# Altium PCB amp.PcbDoc (part 14 of 20)
Units mm, origin at the board's own origin, x right, y up, seen from the top; angles counter-clockwise.
Board outline 210 x 210 mm, 2 copper layers (Top Layer, Bottom Layer); 742 components, 1354 nets, 6402 pads, 5154 vias.
Unrouted connection lines stored in the file: 702.
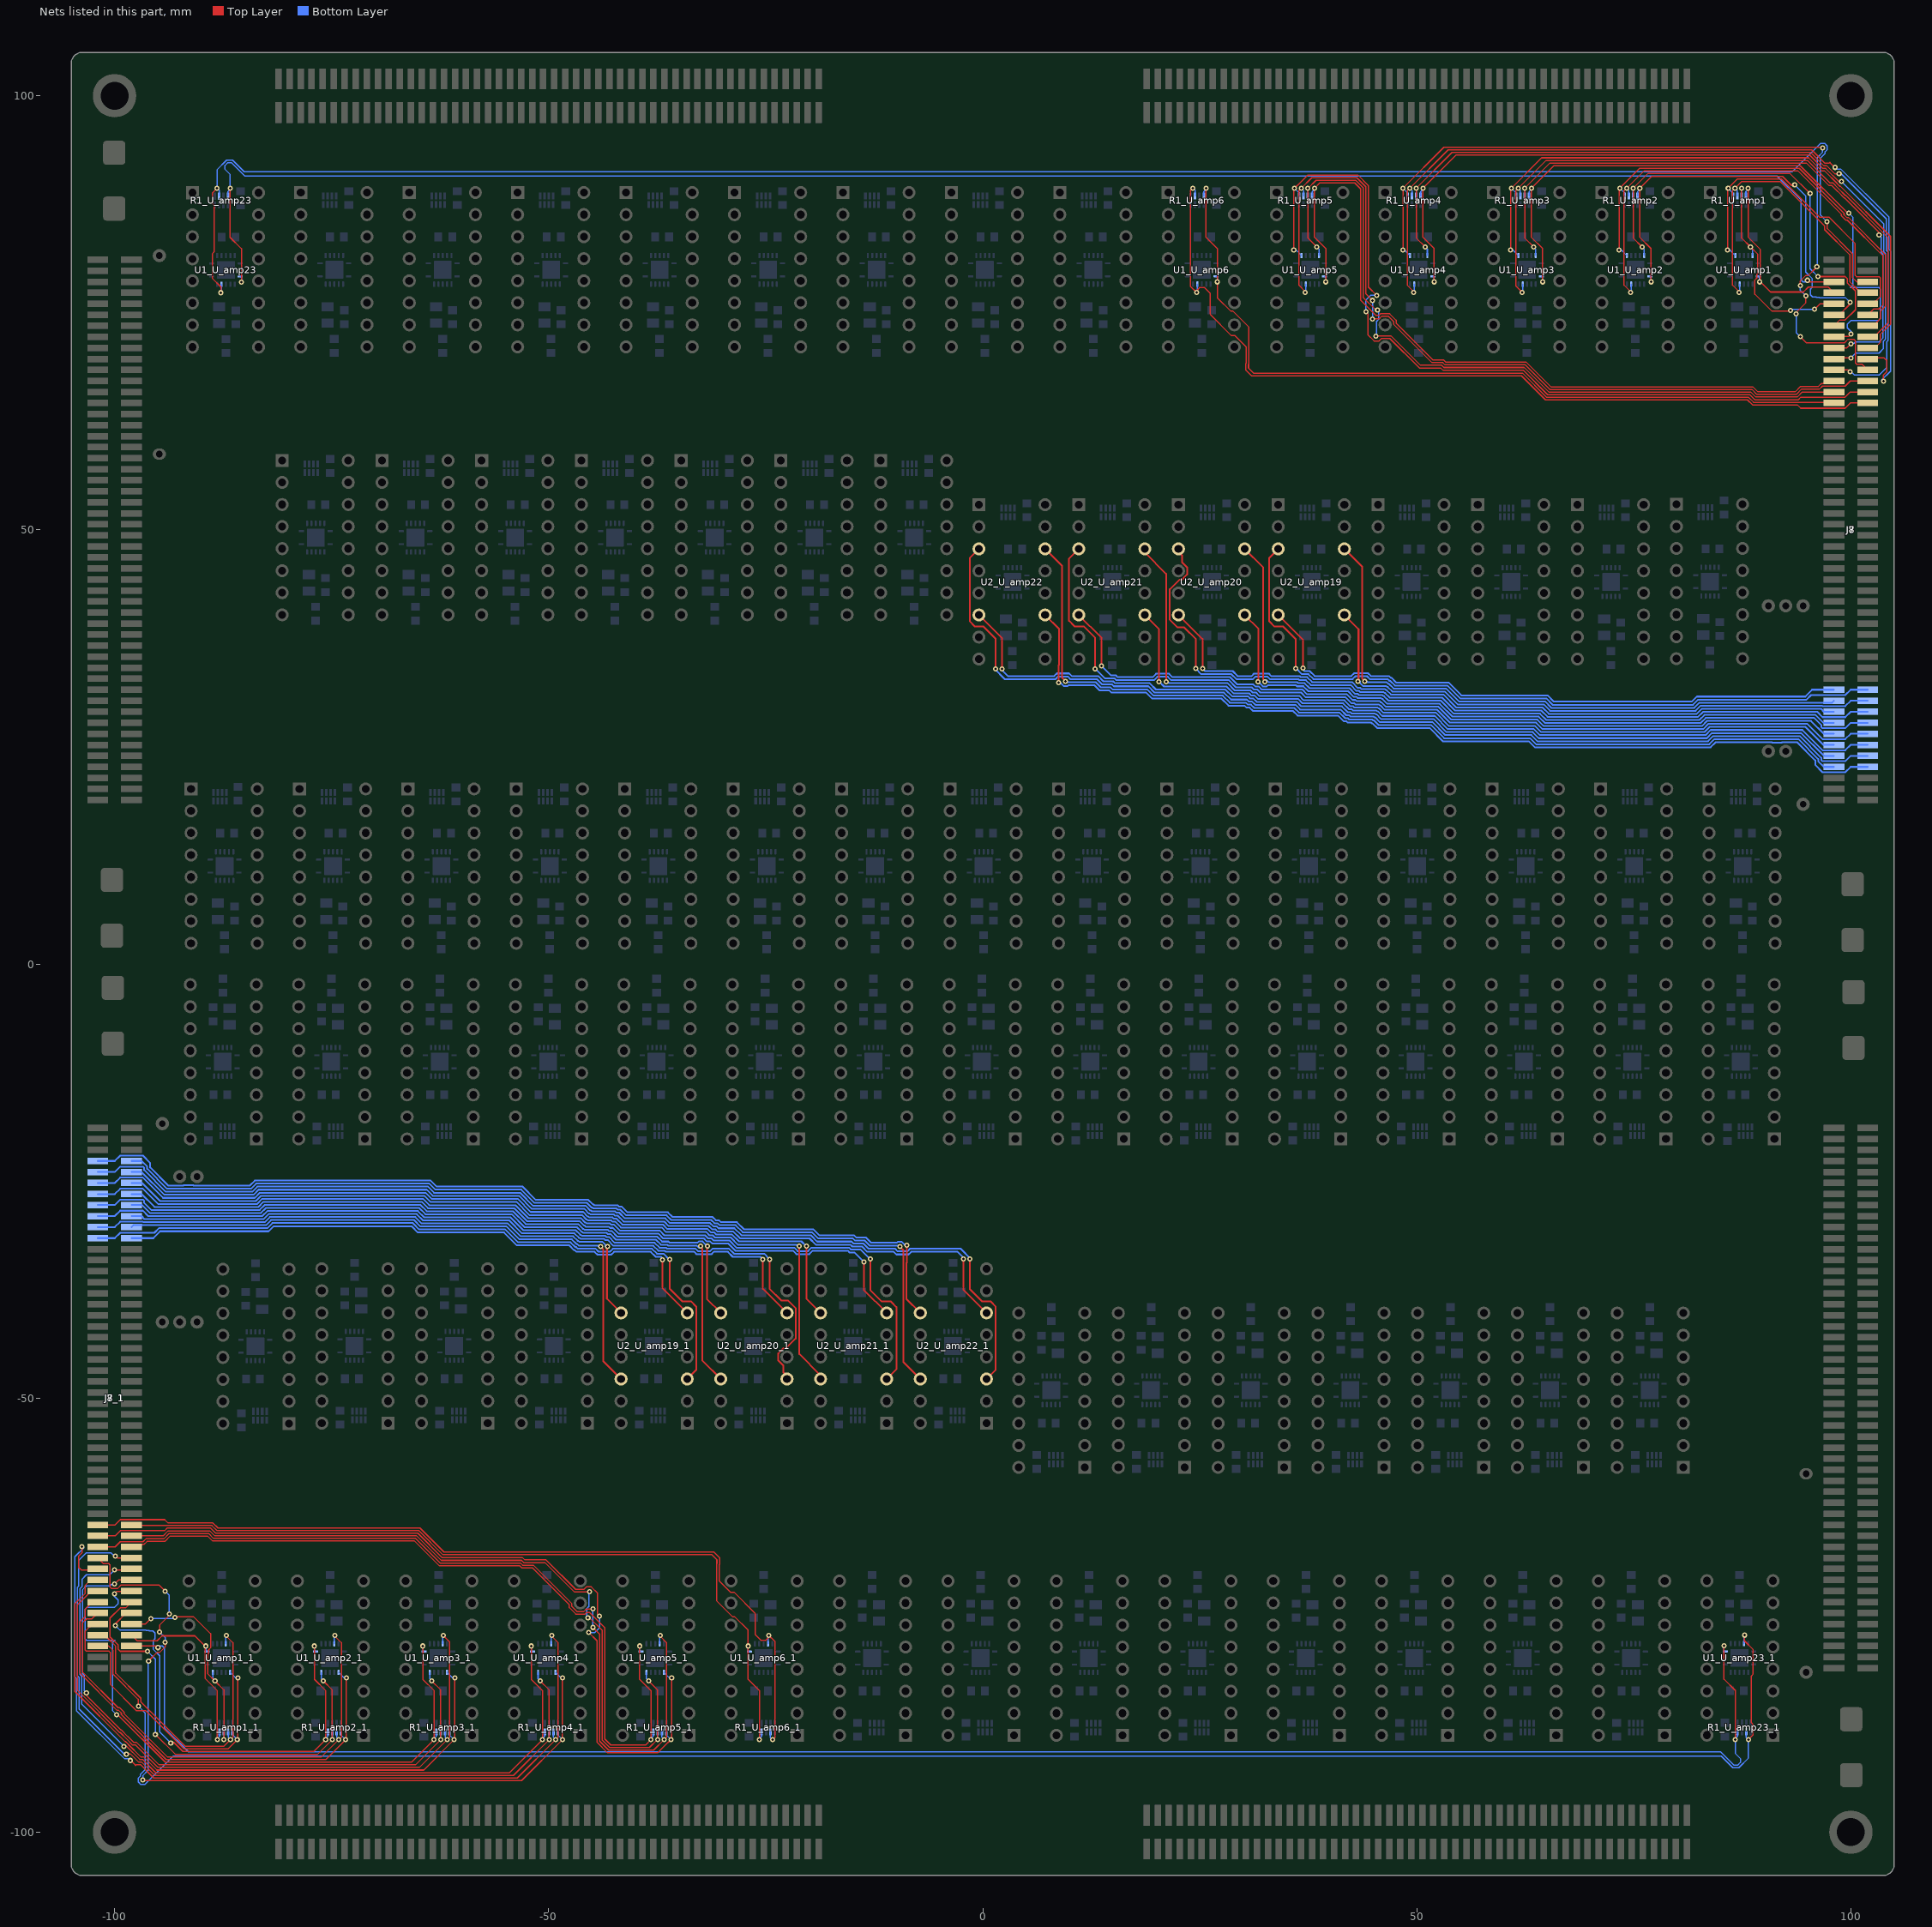
[diagram p14: the nets of this part, all layers, seen from the top]

## Via types
v1: diameter 0.6, hole 0.3, Top Layer to Bottom Layer, tented both sides, 4704 vias
v2: diameter 0.5, hole 0.3, Top Layer to Bottom Layer, 450 vias

## Nets (pads, with @x,y where several pads share a name; then routed paths per layer and width w, separated by ;. In a path a pad name is that pad's centre, name@x,y a point inside that pad or via, vN(x,y) a via of type N, cw(c..) or ccw(c..) an arc to the next point about the centre after c; other vN are vias at no path point) (continued)
NetJ7_73: J7.73 J7_1.73 R1_U_amp6.6 R1_U_amp6_1.6 U1_U_amp6.5 U1_U_amp6_1.5 | length 202.4
  Top Layer w0.15: J7_1.73@-101.95,-64.605 -99.938,-64.605 -99.343,-64.01 -94.232,-64.01 -93.847,-64.395 -88.676,-64.395 -88.097,-64.974 -64.825,-64.974 -62.057,-67.742 -30.964,-67.742 -30.321,-68.385 -30.321,-69.176 -30.332,-69.187 -30.332,-71.106 -29.074,-72.365 -28.651,-72.365 -26.199,-74.817 -26.199,-77.243 -25.514,-77.927 -25.019,-77.927 -24.662,-77.57 v1(-24.662,-77.338) -24.662,-77.313 -23.925,-78.049 -23.925,-89.073 v1(-24.204,-89.352) ; v1(24.204,89.352) 23.925,89.073 23.925,78.049 24.662,77.313 v1(24.662,77.338) 24.662,77.57 25.019,77.927 25.514,77.927 26.199,77.243 26.199,74.817 28.651,72.365 29.074,72.365 30.332,71.106 30.332,69.187 30.321,69.176 30.321,68.385 30.964,67.742 62.057,67.742 64.825,64.974 88.097,64.974 88.676,64.395 93.847,64.395 94.232,64.01 99.343,64.01 99.938,64.605 J7.73@101.95,64.605
  Bottom Layer w0.15: U1_U_amp6_1.5@-24.736,-78.305 -24.736,-77.413 v1(-24.662,-77.338) ; R1_U_amp6_1.6@-24.462,-88.455 -24.462,-89.094 v1(-24.204,-89.352) ; v1(24.204,89.352) 24.462,89.094 R1_U_amp6.6@24.462,88.455 ; v1(24.662,77.338) 24.736,77.413 U1_U_amp6.5@24.736,78.305
NetJ7_74: J7.74 J7_1.74 R1_U_amp6.8 R1_U_amp6_1.8 U1_U_amp6.1 U1_U_amp6_1.1 | length 187.5
  Top Layer w0.15: J7_1.74@-98.05,-64.605 -97.96,-64.695 -88.8,-64.695 -88.221,-65.274 -64.949,-65.274 -62.176,-68.047 -31.191,-68.047 -30.621,-68.617 -30.621,-69.051 -30.632,-69.063 -30.632,-73.381 -28.838,-75.175 -28.586,-75.175 -27.024,-76.737 v1(-27.024,-78.557) -27.024,-82.402 -25.712,-83.713 -25.712,-89.336 v1(-25.728,-89.352) ; v1(25.728,89.352) 25.712,89.336 25.712,83.713 27.024,82.402 v1(27.024,78.557) 27.024,76.737 28.586,75.175 28.838,75.175 30.632,73.381 30.632,69.063 30.621,69.051 30.621,68.617 31.191,68.047 62.176,68.047 64.949,65.274 88.221,65.274 88.8,64.695 97.96,64.695 J7.74@98.05,64.605
  Bottom Layer w0.15: v1(-27.024,-78.557) -27.024,-79.068 U1_U_amp6_1.1@-26.887,-79.205 ; v1(-25.728,-89.352) -25.728,-89.225 -25.462,-88.959 R1_U_amp6_1.8@-25.462,-88.455 ; R1_U_amp6.8@25.462,88.455 25.462,88.959 25.728,89.225 v1(25.728,89.352) ; U1_U_amp6.1@26.887,79.205 27.024,79.068 v1(27.024,78.557)
NetJ7_75: J7.75 J7_1.75 R1_U_amp5.5 R1_U_amp5_1.5 U1_U_amp5.9 U1_U_amp5_1.9 | length 198
  Top Layer w0.15: J7_1.75@-101.95,-65.875 -99.938,-65.875 -99.343,-65.28 -94.241,-65.28 -93.957,-64.995 -88.924,-64.995 -88.345,-65.574 -65.073,-65.574 -62.245,-68.402 -52.997,-68.402 -52.748,-68.65 -50.296,-68.65 -46.901,-72.045 -45.946,-72.045 -45.651,-71.75 -45.084,-71.75 -44.382,-72.452 -44.382,-74.871 v1(-44.145,-75.108) ; v1(-45.39,-77.013) -44.436,-77.967 -44.436,-89.654 -43.223,-90.867 -37.467,-90.867 -36.262,-89.662 -36.217,-89.662 v1(-35.907,-89.352) -35.831,-89.276 v1(-35.831,-82.24) ; v1(35.831,82.24) 35.831,89.276 v1(35.907,89.352) 36.217,89.662 36.262,89.662 37.467,90.867 43.223,90.867 44.436,89.654 44.436,77.967 v1(45.39,77.013) ; v1(44.145,75.108) 44.382,74.871 44.382,72.452 45.084,71.75 45.651,71.75 45.946,72.045 46.901,72.045 50.296,68.65 52.748,68.65 52.997,68.402 62.245,68.402 65.073,65.574 88.345,65.574 88.924,64.995 93.957,64.995 94.241,65.28 99.343,65.28 99.938,65.875 J7.75@101.95,65.875
  Bottom Layer w0.15: v1(-45.39,-77.013) -44.679,-77.013 -44.145,-76.479 v1(-44.145,-75.108) ; U1_U_amp5_1.9@-36.727,-81.605 -36.092,-82.24 v1(-35.831,-82.24) ; R1_U_amp5_1.5@-36.453,-88.455 -36.453,-88.807 v1(-35.907,-89.352) ; v1(35.831,82.24) 36.092,82.24 U1_U_amp5.9@36.727,81.605 ; v1(35.907,89.352) 36.453,88.807 R1_U_amp5.5@36.453,88.455 ; v1(44.145,75.108) 44.145,76.479 44.679,77.013 v1(45.39,77.013)
NetJ7_76: J7.76 J7_1.76 R1_U_amp5.7 R1_U_amp5_1.7 U1_U_amp5.13 U1_U_amp5_1.13 | length 180.8
  Top Layer w0.15: J7_1.76@-98.05,-65.875 -94.412,-65.875 -93.832,-65.295 -89.048,-65.295 -88.47,-65.874 -65.197,-65.874 -62.37,-68.702 -53.121,-68.702 -52.872,-68.95 -50.42,-68.95 -47.025,-72.345 -45.345,-72.345 v1(-45.288,-72.288) ; v1(-45.466,-75.311) -45.384,-75.311 -45.333,-75.26 -43.836,-76.758 -43.836,-89.405 -42.974,-90.267 -38.391,-90.267 -37.476,-89.352 v1(-37.457,-89.352) -37.457,-83.612 v1(-38.473,-82.596) ; v1(38.473,82.596) 37.457,83.612 v1(37.457,89.352) 37.476,89.352 38.391,90.267 42.974,90.267 43.836,89.405 43.836,76.758 45.333,75.26 45.384,75.311 v1(45.466,75.311) ; v1(45.288,72.288) 45.345,72.345 47.025,72.345 50.42,68.95 52.872,68.95 53.121,68.702 62.37,68.702 65.197,65.874 88.47,65.874 89.048,65.295 93.832,65.295 94.412,65.875 J7.76@98.05,65.875
  Bottom Layer w0.15: v1(-45.466,-75.311) -45.542,-75.235 -45.593,-75.235 -45.593,-74.232 -45.375,-74.014 -45.375,-72.375 v1(-45.288,-72.288) ; U1_U_amp5_1.13@-38.727,-81.605 -38.727,-82.342 v1(-38.473,-82.596) ; v1(-37.457,-89.352) -37.453,-89.348 R1_U_amp5_1.7@-37.453,-88.455 ; R1_U_amp5.7@37.453,88.455 37.453,89.348 v1(37.457,89.352) ; v1(38.473,82.596) 38.727,82.342 U1_U_amp5.13@38.727,81.605 ; v1(45.288,72.288) 45.375,72.375 45.375,74.014 45.593,74.232 45.593,75.235 45.542,75.235 v1(45.466,75.311)
NetJ7_77: J7.77 J7_1.77 R1_U_amp5.6 R1_U_amp5_1.6 U1_U_amp5.5 U1_U_amp5_1.5 | length 200.2
  Top Layer w0.15: J7_1.77@-101.95,-67.145 -99.938,-67.145 -99.343,-66.55 -96.724,-66.55 -96.396,-66.223 -94.335,-66.223 -93.708,-65.595 -89.173,-65.595 -88.594,-66.174 -65.322,-66.174 -62.494,-69.002 -53.245,-69.002 -52.997,-69.25 -51.763,-69.25 -47.325,-73.688 -47.325,-74.014 -46.754,-74.585 -45.946,-74.585 -45.656,-74.295 v1(-44.907,-74.295) ; v1(-44.907,-76.429) -44.136,-77.2 -44.136,-89.53 -43.098,-90.567 -37.909,-90.567 v1(-36.695,-89.352) -36.415,-89.073 -36.415,-78.181 -37.152,-77.444 v1(-37.152,-77.338) v1@-37.152,-77.313 ; v1@37.152,77.313 v1(37.152,77.338) 37.152,77.444 36.415,78.181 36.415,89.073 v1(36.695,89.352) 37.909,90.567 43.098,90.567 44.136,89.53 44.136,77.2 v1(44.907,76.429) ; v1(44.907,74.295) 45.656,74.295 45.946,74.585 46.754,74.585 47.325,74.014 47.325,73.688 51.763,69.25 52.997,69.25 53.245,69.002 62.494,69.002 65.322,66.174 88.594,66.174 89.173,65.595 93.708,65.595 94.335,66.223 96.396,66.223 96.724,66.55 99.343,66.55 99.938,67.145 J7.77@101.95,67.145
  Bottom Layer w0.15: v1(-44.907,-76.429) v1(-44.907,-74.295) ; U1_U_amp5_1.5@-37.227,-78.305 -37.227,-77.413 v1(-37.152,-77.338) ; R1_U_amp5_1.6@-36.953,-88.455 -36.953,-89.094 v1(-36.695,-89.352) ; v1(36.695,89.352) 36.953,89.094 R1_U_amp5.6@36.953,88.455 ; v1(37.152,77.338) 37.227,77.413 U1_U_amp5.5@37.227,78.305 ; v1(44.907,74.295) v1(44.907,76.429)
NetJ7_78: J7.78 J7_1.78 R1_U_amp5.8 R1_U_amp5_1.8 U1_U_amp5.1 U1_U_amp5_1.1 | length 183
  Top Layer w0.15: J7_1.78@-98.05,-67.145 -97.117,-67.145 -96.822,-66.85 -96.599,-66.85 -96.272,-66.523 -94.211,-66.523 -93.584,-65.895 -89.297,-65.895 -88.718,-66.474 -65.446,-66.474 -62.618,-69.302 -53.369,-69.302 -53.121,-69.55 -51.887,-69.55 -47.625,-73.813 -47.625,-74.139 -46.878,-74.885 -45.822,-74.885 -45.638,-74.701 -45.288,-74.701 -44.67,-75.319 -44.67,-75.325 -44.363,-75.633 -44.357,-75.633 -43.536,-76.454 -43.536,-89.281 -42.85,-89.967 -38.833,-89.967 v1(-38.219,-89.352) -38.203,-89.336 -38.203,-83.713 -39.514,-82.402 v1(-39.514,-78.557) ; v1(39.514,78.557) 39.514,82.402 38.203,83.713 38.203,89.336 v1(38.219,89.352) 38.833,89.967 42.85,89.967 43.536,89.281 43.536,76.454 44.357,75.633 44.363,75.633 44.67,75.325 44.67,75.319 45.288,74.701 45.638,74.701 45.822,74.885 46.878,74.885 47.625,74.139 47.625,73.813 51.887,69.55 53.121,69.55 53.369,69.302 62.618,69.302 65.446,66.474 88.718,66.474 89.297,65.895 93.584,65.895 94.211,66.523 96.272,66.523 96.599,66.85 96.822,66.85 97.117,67.145 J7.78@98.05,67.145
  Bottom Layer w0.15: v1(-39.514,-78.557) -39.514,-79.068 U1_U_amp5_1.1@-39.377,-79.205 ; v1(-38.219,-89.352) -38.219,-89.225 -37.953,-88.959 R1_U_amp5_1.8@-37.953,-88.455 ; R1_U_amp5.8@37.953,88.455 37.953,88.959 38.219,89.225 v1(38.219,89.352) ; U1_U_amp5.1@39.377,79.205 39.514,79.068 v1(39.514,78.557)
NetJ7_79: J7.79 J7_1.79 R1_U_amp4.5 R1_U_amp4_1.5 U1_U_amp4.9 U1_U_amp4_1.9 | length 190
  Top Layer w0.15: J7_1.79@-101.95,-68.415 -101.275,-69.09 -100.657,-69.09 -100.525,-69.222 -100.525,-70.341 -100.523,-70.342 -100.525,-70.344 -100.525,-71.769 -100.344,-71.95 -99.663,-71.95 -99.263,-71.55 -94.871,-71.55 v1(-94.183,-72.238) ; v1(-96.75,-94) -96.75,-93.852 -96.534,-94.067 -53.112,-94.067 v1(-48.397,-89.352) -48.321,-89.276 -48.412,-89.185 v1(-48.412,-82.245) ; v1(-96.088,-80.289) -95.074,-79.275 -94.783,-79.275 -94.183,-78.676 v1(-94.183,-78.13) ; v1(-94.818,-76.937) -94.818,-76.149 -93.701,-75.032 v1(-93.701,-74.879) ; v1(48.412,82.245) 48.412,89.185 48.321,89.276 v1(48.397,89.352) 53.112,94.067 96.534,94.067 96.75,93.852 v1(96.75,94) ; v1(93.701,74.879) 93.701,75.032 94.818,76.149 v1(94.818,76.937) ; v1(94.183,72.238) 94.871,71.55 99.263,71.55 99.663,71.95 100.344,71.95 100.525,71.769 100.525,70.344 100.523,70.342 100.525,70.341 100.525,69.222 100.657,69.09 101.275,69.09 J7.79@101.95,68.415 ; v1(94.183,78.13) 94.183,78.676 94.783,79.275 95.074,79.275 v1(96.088,80.289)
  Bottom Layer w0.15: v1(-96.75,-94) -96.75,-93.492 -96.139,-92.881 -96.139,-80.34 v1(-96.088,-80.289) ; v1(-94.818,-76.937) -94.183,-77.572 v1(-94.183,-78.13) ; v1(-94.183,-72.238) -93.701,-72.72 v1(-93.701,-74.879) ; U1_U_amp4_1.9@-49.217,-81.605 -48.577,-82.245 v1(-48.412,-82.245) ; R1_U_amp4_1.5@-48.943,-88.455 -48.943,-88.807 v1(-48.397,-89.352) ; v1(48.397,89.352) 48.943,88.807 R1_U_amp4.5@48.943,88.455 ; v1(48.412,82.245) 48.577,82.245 U1_U_amp4.9@49.217,81.605 ; v1(93.701,74.879) 93.701,72.72 v1(94.183,72.238) ; v1(94.183,78.13) 94.183,77.572 v1(94.818,76.937) ; v1(96.088,80.289) 96.139,80.34 96.139,92.881 96.75,93.492 v1(96.75,94)
NetJ7_80: J7.80 J7_1.80 R1_U_amp4.7 R1_U_amp4_1.7 U1_U_amp4.13 U1_U_amp4_1.13 | length 184.3
  Top Layer w0.15: v1(-99.898,-68.224) -99.708,-68.415 J7_1.80@-98.05,-68.415 ; v1(-98.654,-91.008) -98.633,-90.987 -98.175,-90.987 -97.238,-91.925 -96.908,-91.925 -95.366,-93.467 -54.062,-93.467 v1(-49.947,-89.352) -49.947,-83.612 v1(-50.963,-82.596) ; v1(50.963,82.596) 49.947,83.612 v1(49.947,89.352) 54.062,93.467 95.366,93.467 96.908,91.925 97.238,91.925 98.175,90.987 98.633,90.987 v1(98.654,91.008) ; J7.80@98.05,68.415 99.708,68.415 v1(99.898,68.224)
  Bottom Layer w0.15: v1(-99.898,-68.224) -100.025,-68.224 -100.432,-67.818 -103.173,-67.818 -103.175,-67.82 -103.243,-67.82 -104.132,-68.708 -104.132,-71.67 -104.275,-71.813 -104.275,-78.752 -104.3,-78.777 -104.3,-81.973 -104.1,-82.173 -104.1,-85.817 -98.909,-91.008 v1(-98.654,-91.008) ; U1_U_amp4_1.13@-51.217,-81.605 -51.217,-82.342 v1(-50.963,-82.596) ; v1(-49.947,-89.352) -49.943,-89.348 R1_U_amp4_1.7@-49.943,-88.455 ; R1_U_amp4.7@49.943,88.455 49.943,89.348 v1(49.947,89.352) ; v1(50.963,82.596) 51.217,82.342 U1_U_amp4.13@51.217,81.605 ; v1(98.654,91.008) 98.909,91.008 104.1,85.817 104.1,82.173 104.3,81.973 104.3,78.777 104.275,78.752 104.275,71.813 104.132,71.67 104.132,68.708 103.243,67.82 103.175,67.82 103.173,67.818 100.432,67.818 100.025,68.224 v1(99.898,68.224)
NetJ7_81: J7.81 J7_1.81 R1_U_amp4.6 R1_U_amp4_1.6 U1_U_amp4.5 U1_U_amp4_1.5 | length 198.6
  Top Layer w0.15: v1(-103.759,-67.132) -103.759,-67.841 -104.132,-68.213 -104.132,-69.509 -103.824,-69.816 -103.389,-69.816 -103.372,-69.799 -102.064,-69.799 J7_1.81@-101.95,-69.685 ; v1(-98.171,-91.745) -98.14,-91.745 -97.595,-92.289 -97.595,-92.321 -97.563,-92.321 -97.467,-92.225 -97.032,-92.225 -95.49,-93.767 -53.619,-93.767 -49.204,-89.352 v1(-49.185,-89.352) -48.905,-89.073 -48.905,-82.495 -48.937,-82.463 -48.937,-82.028 -48.905,-81.996 -48.905,-78.181 -49.642,-77.444 v1(-49.642,-77.338) v1@-49.642,-77.313 ; v1@49.642,77.313 v1(49.642,77.338) 49.642,77.444 48.905,78.181 48.905,81.996 48.937,82.028 48.937,82.463 48.905,82.495 48.905,89.073 v1(49.185,89.352) 49.204,89.352 53.619,93.767 95.49,93.767 97.032,92.225 97.467,92.225 97.563,92.321 97.595,92.321 97.595,92.289 98.14,91.745 v1(98.171,91.745) ; J7.81@101.95,69.685 102.064,69.799 103.372,69.799 103.389,69.816 103.824,69.816 104.132,69.509 104.132,68.213 103.759,67.841 v1(103.759,67.132)
  Bottom Layer w0.15: v1(-103.759,-67.132) -103.632,-67.132 -103.53,-67.234 -104.575,-68.278 -104.575,-78.628 -104.6,-78.653 -104.6,-82.097 -104.4,-82.297 -104.4,-86.004 -98.871,-91.533 -98.383,-91.533 v1(-98.171,-91.745) ; U1_U_amp4_1.5@-49.717,-78.305 -49.717,-77.413 v1(-49.642,-77.338) ; R1_U_amp4_1.6@-49.443,-88.455 -49.443,-89.094 v1(-49.185,-89.352) ; v1(49.185,89.352) 49.443,89.094 R1_U_amp4.6@49.443,88.455 ; v1(49.642,77.338) 49.717,77.413 U1_U_amp4.5@49.717,78.305 ; v1(98.171,91.745) 98.383,91.533 98.871,91.533 104.4,86.004 104.4,82.297 104.6,82.097 104.6,78.653 104.575,78.628 104.575,68.278 103.53,67.234 103.632,67.132 v1(103.759,67.132)
NetJ7_82: J7.82 J7_1.82 R1_U_amp4.8 R1_U_amp4_1.8 U1_U_amp4.1 U1_U_amp4_1.1 | length 183.5
  Top Layer w0.15: v1(-100,-69.799) -98.164,-69.799 J7_1.82@-98.05,-69.685 ; v1(-98.933,-90.119) -98.619,-90.119 -97.113,-91.625 -96.784,-91.625 -95.241,-93.167 -54.524,-93.167 v1(-50.709,-89.352) -50.693,-89.336 -50.693,-83.713 -52.004,-82.402 v1(-52.004,-78.557) ; v1(52.004,78.557) 52.004,82.402 50.693,83.713 50.693,89.336 v1(50.709,89.352) 54.524,93.167 95.241,93.167 96.784,91.625 97.113,91.625 98.619,90.119 v1(98.933,90.119) ; J7.82@98.05,69.685 98.164,69.799 v1(100,69.799)
  Bottom Layer w0.15: v1(-100,-69.799) -100.533,-70.333 -102.616,-70.333 -102.643,-70.36 -103.243,-70.36 -103.75,-70.867 -103.75,-71.713 -103.975,-71.938 -103.975,-78.876 -104,-78.901 -104,-81.849 -103.8,-82.049 -103.8,-85.252 v1(-98.933,-90.119) ; v1(-52.004,-78.557) -52.004,-79.068 U1_U_amp4_1.1@-51.867,-79.205 ; v1(-50.709,-89.352) -50.709,-89.225 -50.443,-88.959 R1_U_amp4_1.8@-50.443,-88.455 ; R1_U_amp4.8@50.443,88.455 50.443,88.959 50.709,89.225 v1(50.709,89.352) ; U1_U_amp4.1@51.867,79.205 52.004,79.068 v1(52.004,78.557) ; v1(98.933,90.119) 103.8,85.252 103.8,82.049 104,81.849 104,78.901 103.975,78.876 103.975,71.938 103.75,71.713 103.75,70.867 103.243,70.36 102.643,70.36 102.616,70.333 100.533,70.333 v1(100,69.799)
NetJ7_83: J7.83 J7_1.83 R1_U_amp3.5 R1_U_amp3_1.5 U1_U_amp3.9 U1_U_amp3_1.9 | length 145.4
  Top Layer w0.15: J7_1.83@-101.95,-70.955 -102.756,-70.955 -103.375,-71.574 -103.375,-72.496 -104.575,-73.696 -104.575,-83.796 -98.776,-89.594 -98.716,-89.594 -98.408,-89.902 -98.408,-89.906 -96.989,-91.325 -96.66,-91.325 -95.132,-92.853 -64.388,-92.853 v1(-60.888,-89.352) -60.811,-89.276 v1(-60.811,-82.24) ; v1(60.811,82.24) 60.811,89.276 v1(60.888,89.352) 64.388,92.853 95.132,92.853 96.66,91.325 96.989,91.325 98.408,89.906 98.408,89.902 98.716,89.594 98.776,89.594 104.575,83.796 104.575,73.696 103.375,72.496 103.375,71.574 102.756,70.955 J7.83@101.95,70.955
  Bottom Layer w0.15: U1_U_amp3_1.9@-61.707,-81.605 -61.072,-82.24 v1(-60.811,-82.24) ; R1_U_amp3_1.5@-61.433,-88.455 -61.433,-88.807 v1(-60.888,-89.352) ; v1(60.811,82.24) 61.072,82.24 U1_U_amp3.9@61.707,81.605 ; v1(60.888,89.352) 61.433,88.807 R1_U_amp3.5@61.433,88.455
NetJ7_84: J7.84 J7_1.84 R1_U_amp3.7 R1_U_amp3_1.7 U1_U_amp3.13 U1_U_amp3_1.13 | length 145.9
  Top Layer w0.15: v1(-103.25,-83.954) -103.25,-84.25 -99.267,-88.233 -99.232,-88.233 -98.471,-88.994 -98.467,-88.994 -97.808,-89.653 -97.483,-89.653 -94.883,-92.253 -65.337,-92.253 v1(-62.437,-89.352) -62.437,-83.612 v1(-63.453,-82.596) ; v1(-100,-71.425) -99.53,-70.955 J7_1.84@-98.05,-70.955 ; v1(63.453,82.596) 62.437,83.612 v1(62.437,89.352) 65.337,92.253 94.883,92.253 97.483,89.653 97.808,89.653 98.467,88.994 98.471,88.994 99.232,88.233 99.267,88.233 103.25,84.25 v1(103.25,83.954) ; J7.84@98.05,70.955 99.53,70.955 v1(100,71.425)
  Bottom Layer w0.15: v1(-103.25,-83.954) -103.5,-83.704 -103.5,-81.924 -103.7,-81.724 -103.7,-79.026 -103.675,-79.001 -103.675,-72.062 -103.243,-71.63 -100.512,-71.63 -100.382,-71.5 -100.176,-71.5 -100.101,-71.425 v1(-100,-71.425) ; U1_U_amp3_1.13@-63.707,-81.605 -63.707,-82.342 v1(-63.453,-82.596) ; v1(-62.437,-89.352) -62.433,-89.348 R1_U_amp3_1.7@-62.433,-88.455 ; R1_U_amp3.7@62.433,88.455 62.433,89.348 v1(62.437,89.352) ; v1(63.453,82.596) 63.707,82.342 U1_U_amp3.13@63.707,81.605 ; v1(100,71.425) 100.101,71.425 100.176,71.5 100.382,71.5 100.512,71.63 103.243,71.63 103.675,72.062 103.675,79.001 103.7,79.026 103.7,81.724 103.5,81.924 103.5,83.704 v1(103.25,83.954)
NetJ7_85: J7.85 J7_1.85 R1_U_amp3.6 R1_U_amp3_1.6 U1_U_amp3.5 U1_U_amp3_1.5 | length 149.8
  Top Layer w0.15: J7_1.85@-101.95,-72.225 -102.68,-72.225 -104.275,-73.82 -104.275,-83.671 -99.413,-88.533 -99.356,-88.533 -98.595,-89.294 -98.591,-89.294 -97.932,-89.953 -97.607,-89.953 -95.007,-92.553 -64.895,-92.553 -61.695,-89.352 v1(-61.675,-89.352) -61.396,-89.073 -61.396,-78.116 -62.132,-77.38 v1(-62.132,-77.338) v1@-62.132,-77.313 ; v1@62.132,77.313 v1(62.132,77.338) 62.132,77.38 61.396,78.116 61.396,89.073 v1(61.675,89.352) 61.695,89.352 64.895,92.553 95.007,92.553 97.607,89.953 97.932,89.953 98.591,89.294 98.595,89.294 99.356,88.533 99.413,88.533 104.275,83.671 104.275,73.82 102.68,72.225 J7.85@101.95,72.225
  Bottom Layer w0.15: U1_U_amp3_1.5@-62.207,-78.305 -62.207,-77.413 v1(-62.132,-77.338) ; R1_U_amp3_1.6@-61.933,-88.455 -61.933,-89.094 v1(-61.675,-89.352) ; v1(61.675,89.352) 61.933,89.094 R1_U_amp3.6@61.933,88.455 ; v1(62.132,77.338) 62.207,77.413 U1_U_amp3.5@62.207,78.305
NetJ7_86: J7.86 J7_1.86 R1_U_amp3.8 R1_U_amp3_1.8 U1_U_amp3.1 U1_U_amp3_1.1 | length 153.6
  Top Layer w0.15: v1(-100.025,-72.542) -99.758,-72.275 -98.1,-72.275 J7_1.86@-98.05,-72.225 ; v1(-99.75,-86.5) -99.616,-86.5 -94.168,-91.948 -65.795,-91.948 v1(-63.199,-89.352) -63.183,-89.336 -63.183,-83.713 -64.494,-82.402 v1(-64.494,-78.557) ; v1(64.494,78.557) 64.494,82.402 63.183,83.713 63.183,89.336 v1(63.199,89.352) 65.795,91.948 94.168,91.948 99.616,86.5 v1(99.75,86.5) ; J7.86@98.05,72.225 98.1,72.275 99.758,72.275 v1(100.025,72.542)
  Bottom Layer w0.15: v1(-100.025,-72.542) -100.097,-72.614 -100.097,-72.77 -99.602,-73.265 -99.602,-73.7 -99.992,-74.09 -103.163,-74.09 -103.375,-74.302 -103.375,-77.768 -103.243,-77.9 -99.951,-77.9 -100.25,-78.199 -100.25,-86 -99.764,-86.486 -99.764,-86.725 -99.75,-86.711 v1(-99.75,-86.5) ; v1(-64.494,-78.557) -64.494,-79.068 U1_U_amp3_1.1@-64.357,-79.205 ; v1(-63.199,-89.352) -63.199,-89.225 -62.933,-88.959 R1_U_amp3_1.8@-62.933,-88.455 ; R1_U_amp3.8@62.933,88.455 62.933,88.959 63.199,89.225 v1(63.199,89.352) ; U1_U_amp3.1@64.357,79.205 64.494,79.068 v1(64.494,78.557) ; v1(99.75,86.5) 99.75,86.711 99.764,86.725 99.764,86.486 100.25,86 100.25,78.199 99.951,77.9 103.243,77.9 103.375,77.768 103.375,74.302 103.163,74.09 99.992,74.09 99.602,73.7 99.602,73.265 100.097,72.77 100.097,72.614 v1(100.025,72.542)
NetJ7_87: J7.87 J7_1.87 R1_U_amp2.5 R1_U_amp2_1.5 U1_U_amp2.9 U1_U_amp2_1.9 | length 109.2
  Top Layer w0.15: J7_1.87@-101.95,-73.495 -102.568,-73.495 -103.375,-74.302 -103.375,-75.148 -103.975,-75.748 -103.975,-81.717 -99.717,-85.975 -99.533,-85.975 -99.225,-86.283 -99.225,-86.467 -94.058,-91.634 -75.659,-91.634 v1(-73.378,-89.352) -73.302,-89.276 v1(-73.302,-82.24) ; v1(73.302,82.24) 73.302,89.276 v1(73.378,89.352) 75.659,91.634 94.058,91.634 99.225,86.467 99.225,86.283 99.533,85.975 99.717,85.975 103.975,81.717 103.975,75.748 103.375,75.148 103.375,74.302 102.568,73.495 J7.87@101.95,73.495
  Bottom Layer w0.15: U1_U_amp2_1.9@-74.197,-81.605 -73.562,-82.24 v1(-73.302,-82.24) ; R1_U_amp2_1.5@-73.923,-88.455 -73.923,-88.807 v1(-73.378,-89.352) ; v1(73.302,82.24) 73.562,82.24 U1_U_amp2.9@74.197,81.605 ; v1(73.378,89.352) 73.923,88.807 R1_U_amp2.5@73.923,88.455
NetJ7_88: J7.88 J7_1.88 R1_U_amp2.7 R1_U_amp2_1.7 U1_U_amp2.13 U1_U_amp2_1.13 | length 103.6
  Top Layer w0.15: J7_1.88@-98.05,-73.495 -98.725,-74.17 -99.343,-74.17 -100.525,-75.352 -100.525,-77.509 -99.573,-78.462 -99.573,-78.94 -99.341,-79.172 v1(-96.215,-79.172) ; v1(-95.301,-88.748) -93.015,-91.034 -76.608,-91.034 v1(-74.927,-89.352) -74.927,-83.612 v1(-75.943,-82.596) ; v1(75.943,82.596) 74.927,83.612 v1(74.927,89.352) 76.608,91.034 93.015,91.034 v1(95.301,88.748) ; v1(96.215,79.172) 99.341,79.172 99.573,78.94 99.573,78.462 100.525,77.509 100.525,75.352 99.343,74.17 98.725,74.17 J7.88@98.05,73.495
  Bottom Layer w0.15: v1(-96.215,-79.172) -95.301,-80.086 v1(-95.301,-88.748) ; U1_U_amp2_1.13@-76.197,-81.605 -76.197,-82.342 v1(-75.943,-82.596) ; v1(-74.927,-89.352) -74.923,-89.348 R1_U_amp2_1.7@-74.923,-88.455 ; R1_U_amp2.7@74.923,88.455 74.923,89.348 v1(74.927,89.352) ; v1(75.943,82.596) 76.197,82.342 U1_U_amp2.13@76.197,81.605 ; v1(95.301,88.748) 95.301,80.086 v1(96.215,79.172)